# Altium PCB PCB1.PcbDoc (part 2 of 2)
Units mm, origin at the board's own origin, x right, y up, seen from the top; angles counter-clockwise.
Board outline 47 x 47 mm, 4 copper layers (Component Side, Ground Plane, Power Plane, Solder Side), stack 0.844 mm thick; 54 components, 41 nets, 211 pads, 662 vias.
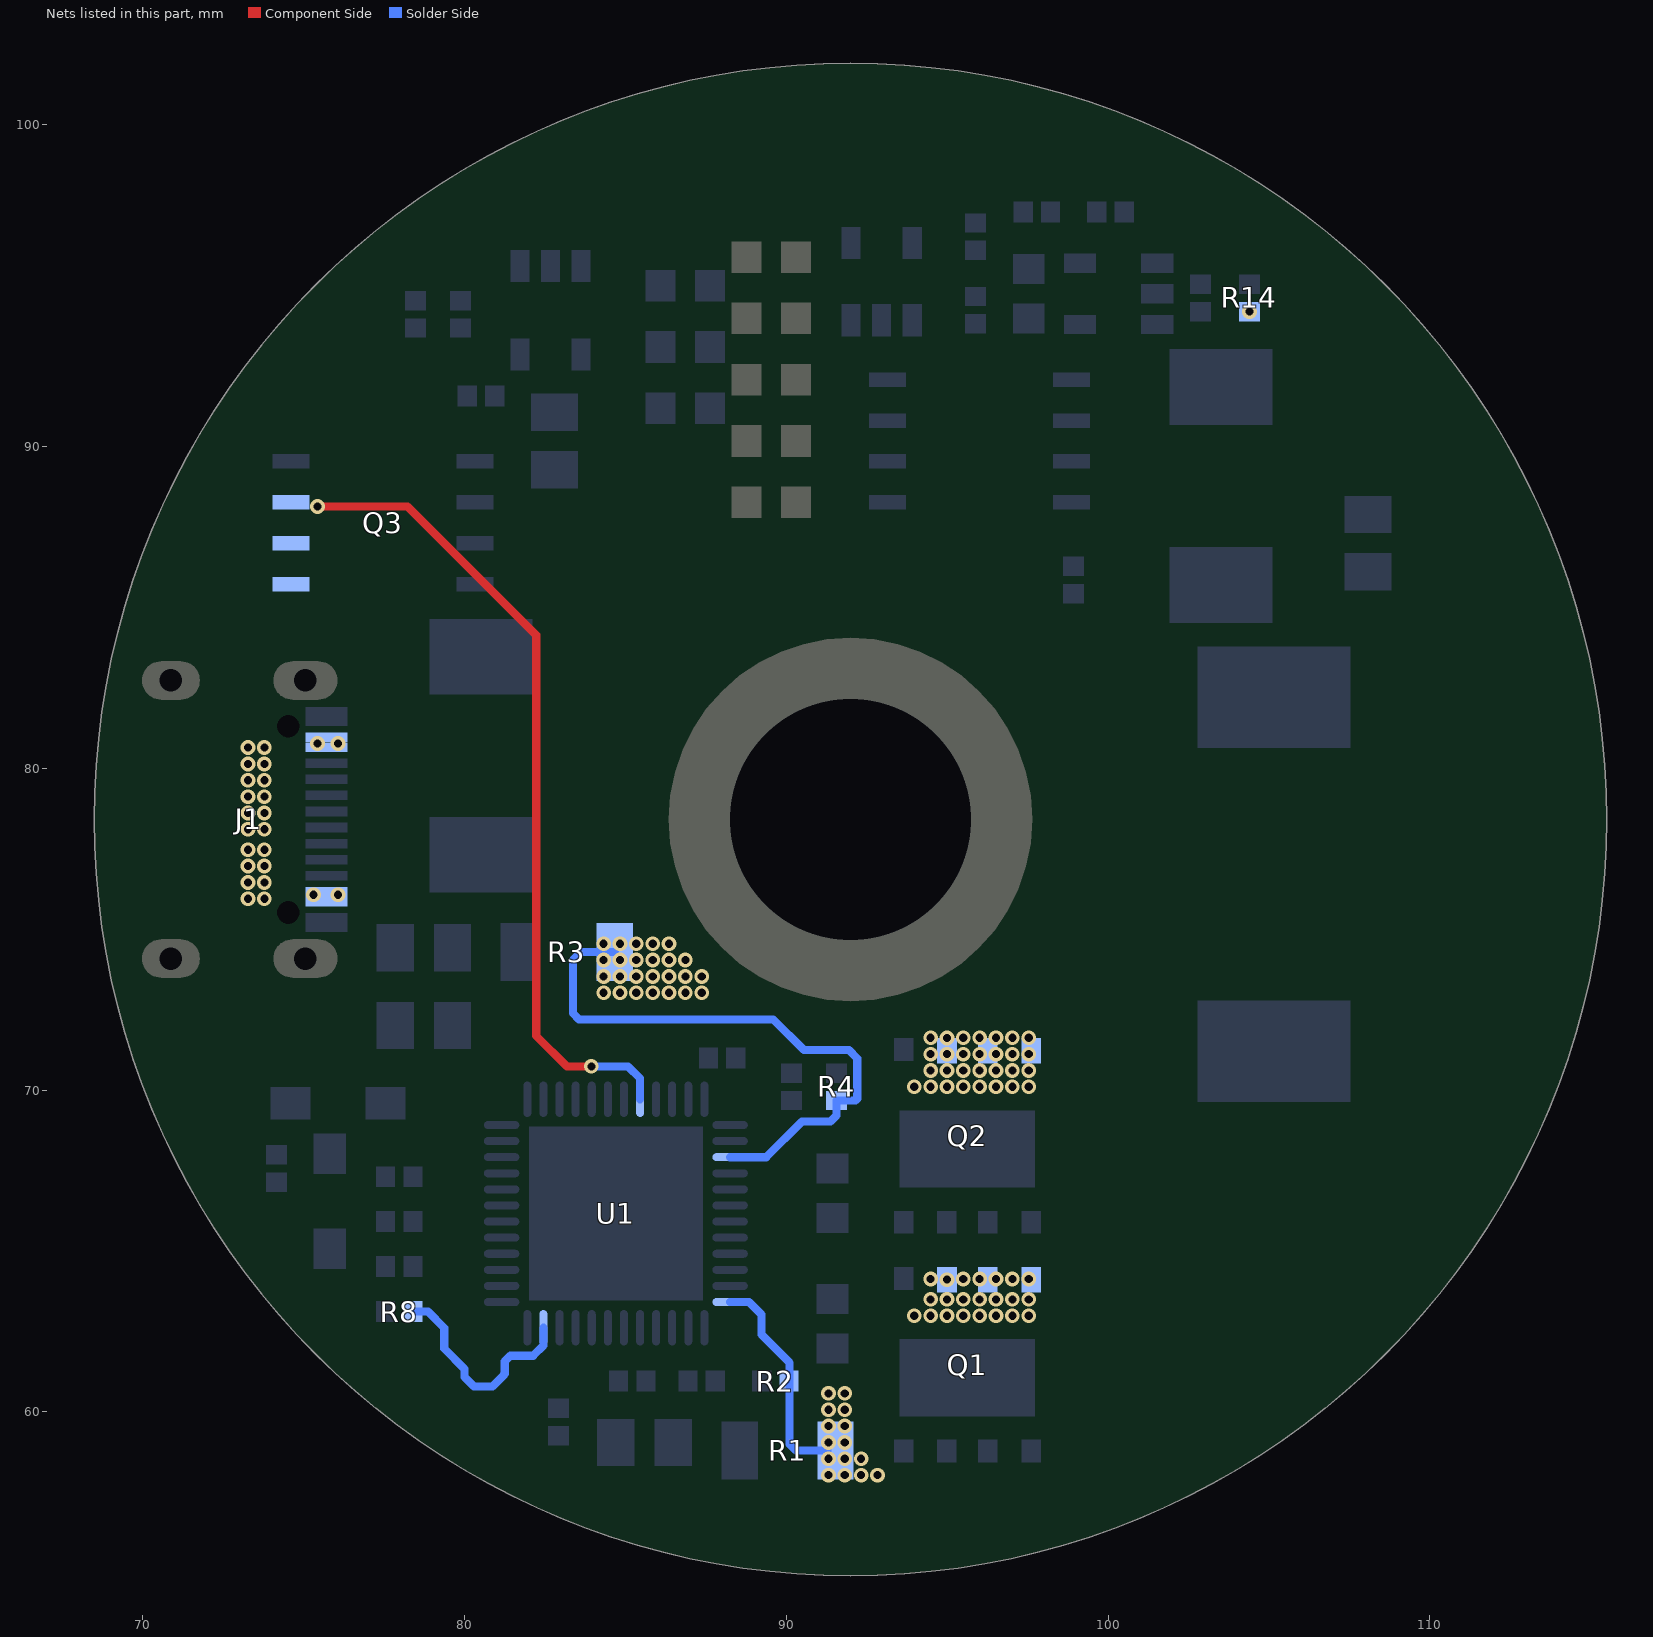
[diagram p4: the nets of this part, all layers, seen from the top]

## Via types
v1: diameter 0.457, hole 0.254, Component Side to Solder Side, tented both sides, 662 vias

## Nets (pads, with @x,y where several pads share a name; then routed paths per layer and width w, separated by ;. In a path a pad name is that pad's centre, name@x,y a point inside that pad or via, vN(x,y) a via of type N, cw(c..) or ccw(c..) an arc to the next point about the centre after c; other vN are vias at no path point) (continued)
VIN: Q2.2 Q2.3 Q2.4 R3.2 R4.2 U1.15 | length 18.9
  Solder Side w0.254: R3.2@84.675,74.295 83.629,74.295 83.376,74.041 83.376,72.39 83.566,72.2 89.599,72.2 90.551,71.247 91.948,71.247 ; U1.15@88.259,67.917 89.38,67.917 90.487,69.025 91.376,69.025 91.567,69.215 R4.2@91.567,69.679 92.158,69.679 92.209,69.73 92.209,70.986 91.948,71.247 ; 92.075,71.12 91.948,71.247
  other v1: 93.98,70.104 94.488,70.104 94.996,70.104 95.504,70.104 96.012,70.104 96.52,70.104 97.028,70.104 97.536,70.104 94.488,70.612 94.996,70.612 95.504,70.612 96.012,70.612 96.52,70.612 97.028,70.612 97.536,70.612 94.488,71.12 94.996,71.12 95.504,71.12 96.012,71.12 96.52,71.12 97.028,71.12 97.536,71.12 94.488,71.628 94.996,71.62 95.504,71.628 96.012,71.628 96.52,71.628 97.028,71.628 97.536,71.628 84.328,73.025 84.836,73.025 85.344,73.025 85.852,73.025 86.36,73.025 86.868,73.025 87.376,73.025 84.328,73.533 84.836,73.533 85.344,73.533 85.852,73.533 86.36,73.533 86.868,73.533 87.376,73.533 84.328,74.041 84.836,74.041 85.344,74.041 85.852,74.041 86.36,74.041 86.868,74.041 84.328,74.549 84.836,74.549 85.344,74.549 85.852,74.549 86.36,74.549
VOUT: Q1.2 Q1.3 Q1.4 R1.1 R2.1 U1.24 | length 6.8
  Solder Side w0.254: U1.24@88.259,63.417 88.844,63.417 89.23,63.031 89.23,62.408 90.106,61.531 90.106,58.998 90.303,58.801 R1.1@91.279,58.801
  other v1: 91.313,58.039 91.821,58.039 92.329,58.039 92.837,58.039 91.313,58.547 91.821,58.547 92.329,58.547 91.313,59.055 91.821,59.055 91.313,59.563 91.821,59.563 91.313,60.071 91.821,60.071 91.313,60.579 91.821,60.579 93.98,62.992 94.488,62.992 94.996,62.992 95.504,62.992 96.012,62.992 96.52,62.992 97.028,62.992 97.536,62.992 94.488,63.5 94.996,63.5 95.504,63.5 96.012,63.5 96.52,63.5 97.028,63.5 97.536,63.5 94.996,64.113 94.488,64.135 95.504,64.135 96.012,64.135 96.52,64.135 97.028,64.135 97.536,64.135
VSET: R8.2 U1.35 | length 6.8
  Solder Side w0.254: R8.2@78.403,63.119 78.867,63.119 79.375,62.611 79.375,61.976 80.01,61.341 80.01,61.087 80.302,60.795 80.871,60.795 81.242,61.166 81.242,61.186 81.255,61.199 81.255,61.57 81.435,61.75 82.142,61.75 82.459,62.066 U1.35@82.459,62.617
VTCBUS: J1.A4 J1.A9 J1.B4 J1.B9 Q3.1 Q3.2 Q3.3 R14.1 U1.8 | length 25.3
  Component Side w0.254: v1(75.438,88.138) 78.232,88.138 82.233,84.138 82.233,71.691 83.185,70.739 v1(83.947,70.739)
  Solder Side w0.254: v1(83.947,70.739) 85.09,70.739 85.459,70.37 U1.8@85.459,69.717
  other v1: 73.279,75.946 73.787,75.946 75.311,76.073 76.073,76.073 73.279,76.454 73.787,76.454 73.279,76.962 73.787,76.962 73.279,77.47 73.787,77.47 73.279,78.105 73.787,78.105 73.279,78.613 73.787,78.613 73.279,79.121 73.787,79.121 73.279,79.629 73.787,79.629 73.279,80.137 73.787,80.137 73.279,80.645 73.787,80.645 75.438,80.772 76.073,80.772 104.394,94.19
pads on no net: J1.0 J1.A8 J1.B8 U1.1 U1.2 U1.3 U1.5 U1.6 U1.7 U1.28 U1.31 U1.44 U1.45 U1.46 U1.47 U1.48 U2.2 U4.1

## Polygon pours and split planes (outlines as drawn)
GND on Solder Side "Component Side-No Net 1" (solid, remove dead copper, pour order 140): 85.217,61.595 79.756,61.595 79.692,61.658 79.502,61.468 79.502,56.007 85.605,56.007 85.913,55.699
VBAT on Solder Side "Component Side-No Net 1" (solid, remove dead copper, pour order 93): 19 vertices, not listed, extent 84.328,70.104 99.949,92.837
GND on Solder Side "Component Side-No Net 1" (solid, remove dead copper, pour order 139): 79.121,95.377 79.121,93.853 77.314,93.853 77.156,93.695 76.617,94.234 76.073,94.234 76.073,97.79 76.2,97.917 76.581,98.298 79.248,98.298
GND on Solder Side "Component Side-No Net 1" (solid, remove dead copper, pour order 135): 83.959,61.837 84.39,61.406 87.097,61.406 87.097,57.937 87.249,57.785 83.058,57.785
GND on Solder Side "Component Side-No Net 1" (solid, remove dead copper, pour order 132): 78.994,63.621 79.623,62.992 83.566,62.992 83.566,59.875 83.253,59.562 82.898,59.207 79.018,59.207
GND on Solder Side "Component Side-No Net 1" (solid, remove dead copper, pour order 109): 81.236,94.919 81.236,91.523 80.645,90.932 80.772,90.805 80.772,89.662 84.709,89.662 84.963,89.408 84.618,89.753 84.618,92.997 84.618,94.447 84.843,94.672
GND on Solder Side "Component Side-No Net 1" (solid, remove dead copper, pour order 105): 100.776,93.238 100.776,90.867 101.6,90.043 102.108,89.535 106.68,89.535 106.68,93.345 107.061,93.726 106.843,93.944 100.776,93.944
GND on Solder Side "Component Side-No Net 1" (solid, remove dead copper, pour order 102): 106.172,92.964 106.045,92.837 106.045,83.693 116.459,83.693 117.094,84.328 117.856,85.09 117.856,93.98
GND on Solder Side "Component Side-No Net 1" (solid, remove dead copper, pour order 100): 67.945,88.011 68.834,87.122 118.999,87.122 118.999,101.346 115.824,104.521 114.173,106.172 67.437,106.172
3V3 on Solder Side "Component Side-No Net 1" (solid, remove dead copper, pour order 95): 96.856,94.857 100.064,94.857 100.076,94.869 99.822,95.123 99.822,96.139 98.044,96.139 98.044,96.52 96.901,96.52
GND on Solder Side "Component Side-No Net 1" (solid, remove dead copper, pour order 94): 96.774,94.869 104.394,94.869 105.156,94.107 105.41,93.853 105.41,90.551 97.155,90.551 96.647,90.043
GND on Solder Side "Component Side-No Net 1" (solid, remove dead copper, pour order 90): 80.712,73.085 84.776,73.085 85.217,72.644 85.725,72.136 85.725,69.342 80.264,69.342 80.01,69.088
VBATTI on Solder Side "Component Side-No Net 1" (solid, remove dead copper, pour order 83): 17 vertices, not listed, extent 87.122,56.261 91.821,58.547
GND on Solder Side "Component Side-No Net 1" (solid, remove dead copper, pour order 79): 72.263,70.485 77.597,70.485 77.851,70.231 78.107,69.975 78.107,62.54 78.107,60.962 77.597,60.452 69.85,60.452 69.85,68.199 68.072,69.977
GND on Solder Side "Component Side-No Net 1" (solid, remove dead copper, pour order 120): 80.233,69.358 75.714,69.063 75.714,75.311 82.677,75.311 82.931,75.565 83.074,75.422 83.074,70.735 83.074,69.358 83.058,69.342
VBUSI on Solder Side "Component Side-No Net 1" (solid, remove dead copper, pour order 118): 20 vertices, not listed, extent 74.93,71.247 86.233,90.875
VIN on Solder Side "Component Side-No Net 1" (solid, remove dead copper, pour order 115): 84.074,74.666 84.074,75.184 85.979,75.184 86.116,75.321 86.233,75.204 86.233,74.168 86.233,72.644 84.582,72.644
BST1 on Solder Side "Component Side-No Net 1" (solid, remove dead copper, pour order 112): 90.932,68.58 90.932,67.056 92.075,67.056 92.075,68.58
VIN on Solder Side "Component Side-No Net 1" (solid, remove dead copper, pour order 111): 84.074,74.803 84.074,72.771 84.201,72.644 84.455,72.644 85.852,72.644 87.757,72.644 87.757,73.025 87.757,73.533 87.503,73.787 86.614,73.787
GND on Solder Side "Component Side-No Net 1" (solid, remove dead copper, pour order 99): 106.299,91.567 118.491,91.567 119.507,90.551 119.761,90.297 119.761,52.451 96.52,52.451 95.631,53.34 96.012,53.721 96.012,59.817 96.012,90.043 97.282,91.313
VBATTI on Solder Side "Component Side-No Net 1" (solid, remove dead copper, pour order 97): 107.89,78.232 107.89,78.165 107.95,78.105 111.379,78.105 111.467,78.105 111.633,78.271 111.633,81.28 108.077,81.28 107.95,81.153
GND on Solder Side "Component Side-No Net 1" (solid, remove dead copper, pour order 96): 93.533,67.208 93.533,63.439 93.98,62.992 94.742,62.23 102.743,62.23 102.743,67.945 103.505,68.707 102.997,68.199 93.218,68.199
VBATTI on Solder Side "Component Side-No Net 1" (solid, remove dead copper, pour order 91): 28 vertices, not listed, extent 97.917,78.105 111.633,92.837
SW1 on Solder Side "Component Side-No Net 1" (solid, remove dead copper, pour order 88): 20 vertices, not listed, extent 93.345,66.548 107.696,83.947
SW2 on Solder Side "Component Side-No Net 1" (solid, remove dead copper, pour order 86): 17 vertices, not listed, extent 93.345,59.61 107.569,72.771
GND on Solder Side "Component Side-No Net 1" (solid, remove dead copper, pour order 136): 70.104,71.628 80.237,71.628 80.464,71.401 80.899,70.966 80.899,60.833 83.043,60.833 83.507,60.369 84.201,59.675 84.201,57.023 67.691,57.023 67.564,56.896
BST2 on Solder Side "Component Side-No Net 1" (solid, remove dead copper, pour order 134): 75.184,68.707 75.184,67.056 75.311,66.929 76.327,66.929 76.327,68.707
BST1 on Solder Side "Component Side-No Net 1" (solid, remove dead copper, pour order 133): 75.819,69.977 75.946,70.104 78.232,70.104 78.232,69.088 76.962,69.088 76.835,69.088 76.708,68.961 75.819,68.961
GND on Solder Side "Component Side-No Net 1" (solid, remove dead copper, pour order 131): 79.756,72.898 80.772,73.914 84.12,73.914 84.12,73.696 88.576,69.241 88.259,68.923 88.259,68.917 83.659,68.917 81.159,66.417 81.022,66.554 79.629,66.554 79.629,70.231 77.978,71.882
VOUT on Solder Side "Component Side-No Net 1" (solid, remove dead copper, pour order 130): 93.531,63.408 94.111,63.408 94.111,64.766 94.107,64.77 97.917,64.77 97.917,62.459 97.868,62.411 97.434,61.976 93.345,61.976 93.345,63.373
GND on Solder Side "Component Side-No Net 1" (solid, remove dead copper, pour order 125): 18 vertices, not listed, extent 67.564,56.261 84.074,65.659
GND on Solder Side "Component Side-No Net 1" (solid, remove dead copper, pour order 122): 21 vertices, not listed, extent 60.579,70.739 82.169,89.281
VTCBUS on Solder Side "Component Side-No Net 1" (solid, remove dead copper, pour order 119): 35 vertices, not listed, extent 71.755,75.692 76.454,88.646
VIN on Solder Side "Component Side-No Net 1" (solid, remove dead copper, pour order 117): 84.074,74.803 86.487,74.803 87.757,73.533 87.757,72.771 85.471,72.771 85.217,73.025 84.201,73.025 84.074,73.025
VIN on Solder Side "Component Side-No Net 1" (solid, remove dead copper, pour order 114): 93.531,69.66 93.531,70.52 94.111,70.52 94.111,72.136 98.044,72.136 98.044,68.961 93.726,68.961 93.599,68.834
GND on Solder Side "Component Side-No Net 1" (solid, remove dead copper, pour order 106): 83.693,59.817 86.36,59.817 88.138,59.817 88.138,55.88 88.265,55.753 88.171,55.659 88.171,55.224 83.079,55.224 83.693,56.134
VBATTI on Solder Side "Component Side-No Net 1" (solid, remove dead copper, pour order 103): 87.63,59.817 85.598,59.817 85.598,58.293 87.376,58.293 87.63,58.039 88.519,58.039 88.519,59.055 88.519,59.817
VBATTI on Solder Side "Component Side-No Net 1" (solid, remove dead copper, pour order 89): 88.9,58.166 90.424,58.166 90.551,58.166 90.678,58.039 90.805,56.896 88.265,57.277
GND on Solder Side "Component Side-No Net 1" (solid, remove dead copper, pour order 81): 93.599,59.817 93.345,59.563 93.345,57.023 89.027,57.023 88.011,58.039 87.63,57.658 87.63,56.515 87.63,54.864 88.138,54.356 89.408,53.086 96.266,53.086 96.266,54.991 98.552,57.277 98.298,57.531 98.298,60.96
VBATTI on Solder Side "Component Side-No Net 1" (solid, remove dead copper, pour order 80): 88.9,59.817 88.9,57.912 89.027,57.785 91.44,57.785 93.345,57.785 93.345,56.642 90.043,56.642 89.662,57.023 89.027,57.023 88.138,57.023 87.884,57.023 87.63,57.277 87.63,59.817
VOUT on Solder Side "Component Side-No Net 1" (solid, remove dead copper, pour order 78): 90.678,60.833 90.678,58.039 90.678,57.912 90.805,57.785 93.345,57.785 93.345,58.293 93.091,58.293 92.583,58.801 92.202,59.182 92.202,60.452 92.202,60.706 92.075,60.833
VBATTI on Solder Side "Component Side-No Net 1" (solid, remove dead copper, pour order 147): 89.229,58.43 89.154,58.505 89.154,59.436 89.154,59.817 88.519,59.817 87.63,59.817 87.757,59.69 87.757,57.531 89.154,57.531 89.281,57.404
VBATTI on Solder Side "Component Side-No Net 1" (solid, remove dead copper, pour order 149): 87.796,59.817 89.281,59.817 89.281,58.378 89.366,58.293 89.535,58.124 89.535,57.404 89.535,57.15 89.408,57.023 89.154,56.769 87.863,56.769 87.493,57.14
GND on Solder Side "Component Side-No Net 1" (solid, remove dead copper, pour order 151): 100.203,66.294 100.33,66.421 103.886,66.421 103.886,62.865 103.505,62.484 103.432,62.411 97.868,62.411 97.868,66.052 98.17,66.354
SW1 on Solder Side "Component Side-No Net 1" (solid, remove dead copper, pour order 153): 17 vertices, not listed, extent 93.435,66.548 104.267,83.947
GND on Solder Side "Component Side-No Net 1" (solid, remove dead copper, pour order 155): 87.497,71.38 87.497,69.717 87.497,68.955 88.792,68.917 89.96,68.917 90.043,68.834 91.567,70.358 91.567,71.628 91.567,73.025 91.44,73.152 91.313,73.279 86.106,73.279
GND on Component Side "Component Side-No Net 1" (solid, remove dead copper, pour order 129): 53.975,92.583 141.097,92.583 146.558,87.122 144.526,85.09 144.526,26.162 57.785,26.162 57.404,26.543
VBATTI on Component Side "Component Side-No Net 1" (solid, remove dead copper, pour order 127): 86.487,65.126 86.487,62.716 87.63,61.573 87.735,61.468 88.646,61.468 88.646,58.674 88.265,58.293 88.773,57.785 89.916,57.785 89.916,65.024 90.17,65.278
VBATTI on Component Side "Component Side-No Net 1" (solid, remove dead copper, pour order 124): 87.63,57.912 87.63,63.246 86.487,64.389 86.487,67.056 86.487,68.199 87.249,68.961 88.519,68.961 88.519,69.723 89.916,69.723 94.615,69.723 94.615,65.532 94.488,65.405 94.535,65.358 94.535,57.912
VIN on Component Side "Component Side-No Net 1" (solid, remove dead copper, pour order 121): 92.135,69.663 89.087,69.663 88.646,70.104 88.265,70.485 88.265,71.12 93.853,71.12 94.107,71.374 94.996,70.485 94.996,70.104 94.996,69.723
VIN on Component Side "Component Side-No Net 1" (solid, remove dead copper, pour order 116): 20 vertices, not listed, extent 84.074,70.231 98.044,75.438
GND on Component Side "Component Side-No Net 1" (solid, remove dead copper, pour order 113): 75.057,83.947 75.057,73.914 74.676,73.533 74.295,73.914 70.485,73.914 70.485,83.82 70.358,83.947
3V3 on Component Side "Component Side-No Net 1" (solid, remove dead copper, pour order 98): 96.647,97.536 96.647,94.361 96.393,94.107 100.076,94.107 100.076,97.155 99.949,97.282
GND on Component Side "Component Side-No Net 1" (solid, remove dead copper, pour order 85): 68.072,92.329 68.961,91.44 76.073,91.44 76.073,84.448 75.216,83.591 75.191,83.566 73.279,83.566 66.802,83.566
GND on Component Side "Component Side-No Net 1" (solid, remove dead copper, pour order 76): 74.93,83.947 75.003,83.874 75.003,77.216 75.819,77.216 76.835,76.2 77.109,75.926 77.109,70.185 73.579,70.185 71.12,72.644 69.723,71.247 64.389,71.247 64.389,82.804 62.738,84.455
GND on Component Side "Component Side-No Net 1" (solid, remove dead copper, pour order 108): 75.057,84.074 75.064,84.067 75.064,79.813 75.064,74.556 75.057,74.549 74.803,74.803 68.707,74.803 68.707,83.693 68.453,83.947
GND on Component Side "Component Side-No Net 1" (solid, remove dead copper, pour order 107): 73.747,83.82 73.975,83.591 75.216,83.591 75.216,80.55 75.184,80.518 74.168,79.502 70.993,79.502 70.993,84.074 70.739,84.328 70.866,84.455
GND on Component Side "Component Side-No Net 1" (solid, remove dead copper, pour order 104): 18 vertices, not listed, extent 65.024,71.882 76.581,85.725
VBATTI on Component Side "Component Side-No Net 1" (solid, remove dead copper, pour order 101): 99.187,89.916 99.568,89.535 102.87,89.535 102.87,87.884 102.616,87.63 102.362,87.376 98.552,87.376
VBATTI on Component Side "Component Side-No Net 1" (solid, remove dead copper, pour order 77): 87.249,56.261 87.63,55.88 109.22,55.88 109.22,64.389 112.522,67.691 112.395,67.818 112.395,82.169 106.172,82.169 105.791,82.55 102.616,79.375 102.616,72.136 88.009,72.136 87.293,71.42
GND on Component Side "Component Side-No Net 1" (solid, remove dead copper, pour order 74): 17 vertices, not listed, extent 98.298,69.663 107.569,83.82
BST2 on Component Side "Component Side-No Net 1" (solid, remove dead copper, pour order 138): 74.803,68.199 74.93,68.072 76.835,68.072 76.835,66.675 76.962,66.548 76.708,66.294 74.422,66.294
BST1 on Component Side "Component Side-No Net 1" (solid, remove dead copper, pour order 137): 75.057,70.231 77.851,70.231 77.724,70.104 77.724,68.199 75.184,68.199 74.803,68.58
VTCBUS on Component Side "Component Side-No Net 1" (solid, remove dead copper, pour order 128): 72.898,81.026 76.559,81.026 76.633,81.1 76.835,80.899 76.835,80.137 76.581,80.137 74.93,80.137 74.549,79.756 74.422,79.629 73.279,79.629
VIN on Component Side "Component Side-No Net 1" (solid, remove dead copper, pour order 126): 94.107,71.628 94.107,72.136 98.552,72.136 98.552,71.12 98.425,70.993 97.917,70.485 94.107,70.485
VTCBUS on Component Side "Component Side-No Net 1" (solid, remove dead copper, pour order 123): 17 vertices, not listed, extent 72.898,75.692 76.454,81.026
VIN on Component Side "Component Side-No Net 1" (solid, remove dead copper, pour order 110): 18 vertices, not listed, extent 83.947,69.469 98.044,74.803
GND on Component Side "Component Side-No Net 1" (solid, remove dead copper, pour order 92): 94.742,58.039 93.091,58.039 92.71,57.658 92.603,57.765 87.63,57.765 87.63,53.34 87.503,53.213 88.646,52.07 100.203,52.07 100.203,56.515 103.759,60.071 102.362,61.468 101.981,61.468
VBATTI on Component Side "Component Side-No Net 1" (solid, remove dead copper, pour order 87): 88.011,64.516 89.408,64.516 89.98,65.087 90.297,65.405 92.837,65.405 92.837,60.833 92.964,60.706 92.837,60.579 90.17,60.579 89.662,60.579 88.138,57.658
VOUT on Component Side "Component Side-No Net 1" (solid, remove dead copper, pour order 75): 92.583,60.774 90.746,60.774 90.678,60.706 90.678,59.436 90.678,59.309 91.567,58.42 91.694,58.547 93.472,58.547 93.472,60.579 93.599,60.706 93.472,60.833
VOUT on Component Side "Component Side-No Net 1" (solid, remove dead copper, pour order 84): 92.92,63.754 92.92,64.599 93.091,64.77 93.218,64.897 98.171,64.897 98.171,62.953 98.063,62.846 97.194,61.976 97.155,61.976 94.107,61.976 93.726,62.357
GND on Component Side "Component Side-No Net 1" (solid, remove dead copper, pour order 82): 96.86,64.85 94.281,64.85 94.234,64.897 94.234,66.294 94.408,66.468 94.615,66.675 97.282,66.675 97.282,66.421 97.663,66.04 97.79,65.913
VOUT on Component Side "Component Side-No Net 1" (solid, remove dead copper, pour order 73): 92.583,63.881 92.71,63.754 98.171,63.754 98.171,62.953 98.063,62.846 97.749,62.531 94.742,62.531 94.742,57.785 90.805,57.785 90.678,57.912 90.678,59.817 92.456,59.817 92.583,59.944
VOUT on Component Side "Component Side-No Net 1" (solid, remove dead copper, pour order 141): 97.677,62.752 95.391,62.752 95.377,62.738 95.377,60.452 95.377,58.42 94.996,58.039 94.742,57.785 92.837,57.785 91.44,57.785 90.932,58.293 92.259,59.62 92.259,63.4 92.259,65.081 92.456,65.278 96.774,65.278
VOUT on Component Side "Component Side-No Net 1" (solid, remove dead copper, pour order 142): 97.661,62.742 97.661,59.942 97.409,59.69 97.339,59.62 95.377,59.62 93.542,59.62 93.218,59.944 93.599,60.325 93.599,63.373 93.599,64.339 93.435,64.502 93.703,64.77 96.393,64.77
GND on Component Side "Component Side-No Net 1" (solid, remove dead copper, pour order 143): 93.98,60.579 104.013,60.579 104.267,60.833 104.14,60.706 104.14,53.594 93.218,53.594 92.71,53.086 92.583,53.213 92.583,61.214
GND on Component Side "Component Side-No Net 1" (solid, remove dead copper, pour order 144): 66.548,85.852 75.692,85.852 78.486,83.058 80.137,81.407 120.269,81.407 120.269,103.251 123.825,106.807 120.65,109.982 65.278,109.982
VIN on Component Side "Component Side-No Net 1" (solid, remove dead copper, pour order 157): 87.549,70.993 87.549,70.185 87.757,69.977 88.265,69.977 88.392,69.977 88.392,69.596 88.773,69.596 89.789,69.596 89.789,71.501 89.916,71.628 88.265,73.279 87.122,73.279 85.979,73.279 86.144,73.114 86.144,70.894
GND on Component Side "Component Side-No Net 1" (solid, remove dead copper, pour order 159): 70.485,83.82 78.359,83.82 78.74,83.439 79.502,82.677 79.502,77.851 69.088,77.851
VOUT on Ground Plane (split plane): 29 vertices, not listed, extent 90.807,57.878 97.915,64.768
no net on Ground Plane (split plane): 89.535,73.462 89.464,73.533 89.535,73.533
VBATTI on Ground Plane (split plane): 59 vertices, not listed, extent 87.378,56.136 111.25,81.278
VIN on Ground Plane (split plane): 26 vertices, not listed, extent 83.949,69.725 97.917,75.055
VBUSI on Ground Plane (split plane): 25 vertices, not listed, extent 81.282,70.487 87.755,74.547
GND on Ground Plane (split plane): 337 vertices, not listed, extent 69.007,55.418 114.991,101.402
VBATTI on Power Plane (split plane): 49 vertices, not listed, extent 85.981,61.343 101.725,89.406
VIN on Power Plane (split plane): 24 vertices, not listed, extent 83.822,69.725 97.915,75.055
GND on Power Plane (split plane): 18 vertices, not listed, extent 82.298,63.175 87.574,68.578
VOUT on Power Plane (split plane): 36 vertices, not listed, extent 90.934,57.802 97.917,64.514
VBATTI on Power Plane (split plane): 18 vertices, not listed, extent 87.505,56.517 93.47,60.196
3V3 on Power Plane (split plane): 40 vertices, not listed, extent 80.774,90.172 98.423,96.772
VTCBUS on Power Plane (split plane): 50 vertices, not listed, extent 72.519,75.44 104.9,94.613
BST1 on Power Plane (split plane): 19 vertices, not listed, extent 75.567,67.058 92.073,71.118
GND on Power Plane (split plane): 379 vertices, not listed, extent 69.007,55.418 114.991,101.402
BST2 on Power Plane (split plane): 75 vertices, not listed, extent 75.186,60.327 92.2,68.578

## Keep-outs
Keep-Out Layer:
  circle w0.254: c91.999,78.41 r23.5

## Other copper
Ground Plane (plane layer: these items are gaps in the copper):
  rectangle: 85.979,75.184 86.868,84.201
  rectangle: 86.995,75.057 87.376,75.311
  rectangle: 90.297,73.152 97.79,75.184
  rectangle: 86.868,75.184 97.79,84.201
  rectangle: 89.154,73.533 90.424,75.184
  rectangle: 89.535,73.279 90.678,73.533
  rectangle: 89.718,73.025 90.551,73.279
  rectangle: 88.392,74.549 89.154,75.184
  rectangle: 87.813,74.93 88.519,75.184
  rectangle: 88.067,74.676 88.9,74.93
  rectangle: 88.138,74.422 88.9,74.93
  rectangle: 88.519,74.168 89.408,74.676
  rectangle: 88.773,73.914 89.535,74.168
  rectangle: 88.9,73.787 89.281,74.422
  rectangle: 90.678,61.214 92.583,62.865
  lines w0.254: 83.82,72.517 83.82,74.803 84.201,75.184 87.63,75.184 89.789,73.025 97.79,73.025 98.046,72.769 98.046,69.852 97.79,69.596 92.837,69.596 91.821,70.612 87.884,70.612 ; 87.249,70.231 87.249,57.404 87.757,56.896 88.773,56.896 89.662,56.007 ; 89.662,55.057 89.662,56.007 ; 89.662,55.753 89.662,56.007 ; 90.678,61.214 92.583,61.214 92.583,64.516 92.964,64.897 93.599,64.897 94.107,64.897 94.361,64.643 98.044,64.643 98.044,62.357 97.282,62.357 94.996,60.071 94.996,59.182 93.98,58.166 93.51,57.696 93.423,57.783 ; 97.536,81.407 111.379,81.407 111.379,78.105 111.125,77.851 102.362,77.851 101.6,77.089 101.6,68.326 100.076,66.802 92.837,66.802 90.678,64.643 90.678,58.091 90.987,57.783 93.423,57.783 ; 87.884,70.612 87.884,71.247 86.614,72.517 83.185,72.517 82.169,73.533 82.169,74.422 81.915,74.676 81.407,74.676 81.153,74.422 81.153,73.279 82.677,71.755 86.05,71.755 86.487,71.318 86.487,70.556 86.685,70.358 87.63,70.358 87.884,70.612 ; 89.662,56.007 93.274,56.007 93.724,56.456 93.724,57.482 93.423,57.783
Power Plane (plane layer: these items are gaps in the copper):
  rectangle: 85.09,75.184 86.487,84.582
  rectangle: 86.487,75.113 86.741,75.313
  rectangle: 90.424,73.025 97.917,75.184
  rectangle: 86.487,75.184 97.917,84.582
  rectangle: 88.773,74.041 90.424,75.184
  rectangle: 87.813,74.93 89.408,75.184
  rectangle: 88.265,74.422 88.773,74.93
  rectangle: 87.884,74.732 88.265,75.565
  rectangle: 88.519,74.224 88.773,74.93
  rectangle: 89.535,73.279 90.424,74.041
  rectangle: 89.789,73.025 90.043,73.787
  rectangle: 89.662,73.152 89.789,73.787
  rectangle: 89.027,73.66 89.535,74.041
  rectangle: 88.773,73.914 89.154,74.422
  rectangle: 89.281,73.406 89.789,74.041
  rectangle: 89.789,73.025 90.932,73.406
  rectangle: 107.95,78.105 111.125,81.153
  lines w0.254: 82.169,68.707 82.169,64.77 82.677,64.262 84.582,64.262 85.852,62.992 ; 85.344,79.629 76.835,79.629 76.835,75.819 76.327,75.311 72.771,75.311 72.39,75.692 72.39,81.026 72.771,81.407 76.454,81.407 76.708,81.153 76.708,80.518 78.105,80.518 84.328,80.518 84.328,85.09 84.582,85.344 96.52,85.344 97.282,86.106 97.282,94.488 97.536,94.742 104.648,94.742 104.775,94.615 105.029,94.361 105.029,93.853 104.775,93.599 98.552,93.599 98.044,93.091 98.044,84.836 97.663,84.455 ; 87.122,61.976 87.249,61.849 89.916,61.849 90.932,62.865 92.075,62.865 92.329,62.611 92.329,61.722 92.329,61.341 93.218,61.341 93.218,63.627 93.472,63.881 94.234,64.643 97.902,64.643 98.046,64.499 98.046,62.359 97.663,61.976 96.901,61.976 94.488,59.563 94.488,57.912 94.249,57.673 90.805,57.673 90.805,61.087 90.932,61.214 91.059,61.341 92.075,61.341 ; 90.805,59.69 90.805,60.325 ; 91.595,55.019 91.595,56.388 ; 92.202,66.929 92.202,68.326 91.821,68.707 87.884,68.707 85.344,71.247 76.835,71.247 75.438,69.85 75.438,68.326 ; 93.599,57.673 93.599,56.586 93.401,56.388 89.789,56.388 89.281,56.896 87.757,56.896 87.376,57.277 87.376,60.325 90.805,60.325 ; 97.282,91.186 84.074,91.186 83.439,91.821 81.915,91.821 81.788,91.694 81.788,90.551 81.788,90.297 81.534,90.043 81.026,90.043 80.645,90.424 80.645,92.71 80.772,92.837 84.074,92.837 84.709,92.202 96.012,92.202 96.266,92.456 96.266,96.52 96.647,96.901 98.298,96.901 98.552,96.647 98.552,94.742 ; 75.438,68.326 75.311,68.326 75.057,68.072 75.057,66.802 75.311,66.548 78.867,66.548 79.121,66.802 80.772,66.802 80.772,63.881 81.788,62.865 83.947,62.865 84.455,62.357 84.455,61.341 85.598,60.198 87.122,60.198 87.249,60.325 90.805,60.325 ; 75.438,68.326 77.343,68.326 77.724,68.707 85.979,68.707 87.757,66.929 ; 85.852,62.992 85.852,61.468 86.106,61.214 86.741,61.214 87.122,61.595 87.122,62.484 88.011,63.373 88.011,65.405 88.265,65.659 92.837,65.659 94.107,66.929 100.838,66.929 101.854,67.945 101.854,88.773 101.092,89.535 100.203,89.535 99.695,89.027 99.695,87.884 100.711,86.868 100.711,68.58 99.949,67.818 93.726,67.818 92.837,66.929 87.757,66.929 ; 85.852,62.992 86.106,63.246 86.614,63.246 87.249,63.881 87.249,66.421 87.757,66.929 ; 83.693,72.786 83.693,74.803 84.074,75.184 87.63,75.184 89.789,73.025 97.79,73.025 98.044,72.771 98.044,69.85 97.79,69.596 92.456,69.596 91.821,70.231 88.265,70.231 86.106,72.39 84.089,72.39 83.693,72.786

## Silkscreen, mask and mechanical layers (free items; w line width, h text height)
Top Overlay:
  lines w0.254: 88.519,98.298 87.63,98.298 87.63,97.409 87.63,86.868 96.647,86.868 96.647,97.282 96.647,98.171 96.647,98.425 95.631,98.425
  text "Status" at 89.027,97.536 h2.54
  text "25%" at 92.202,95.25 h2.54
  text "50%" at 92.202,93.345 h2.54
  text "75%" at 92.202,91.44 h2.54
  text "100%" at 92.202,89.535 h2.54
  text "Fast" at 92.202,87.63 h2.54
  text "PD3.0 60W" at 72.39,83.185 h2.54 r270
  text "Max" at 70.739,80.391 h2.54 r270
  text "Project" at 103.886,73.533 h4 r90
  text "Extreme" at 109.474,73.406 h4 r90
  text "Difftorch" at 106.934,71.501 h4 r90
  text "3S Li-iON" at 86.868,67.818 h2.54
  text "Typec-Charging" at 84.201,65.659 h2.54
  text "Module V2" at 86.614,63.246 h2.54
  text "By:" at 84.963,60.96 h2.54
  text "Restoner_35" at 89.535,60.96 h2.54
Bottom Overlay:
  rectangle: 80.772,70.104 81.574,70.935
  text "D8B-3S-PD" at 97.663,98.171 h2.03
  text "V1.1" at 108.331,92.837 h2.03 r90
  text "3S1-2P" at 90.043,91.948 h2.03 r270
  text "RT" at 77.851,90.551 h2.03 r270
  text "3.7V Li-ION" at 88.773,90.297 h2.03 r270
  text "Designed by:" at 91.821,88.9 h2.03
  text "+" at 100.584,87.757 h2.03 r180
  text "Redstoner_35" at 92.329,87.376 h2.03
  text "60W PD3.0" at 97.409,84.963 h2.54
  text "V+" at 86.995,84.201 h2.54 r90
  text "+" at 82.55,78.994 h2.03 r180
  text "JLCJLCJLC" at 99.695,71.755 h2.03 r270
  text "PDIN" at 76.454,71.501 h2.54
  text "N" at 80.391,66.802 h2.03
  text "烫" at 100.584,65.659 h3.05 r90
  text "P" at 80.391,65.278 h2.03
  text "C" at 80.391,63.881 h2.03
  text "V" at 80.391,62.357 h2.03
Top Solder:
  lines w1.7: 69.161,75.686 cw(c91.999,78.41) 69.164,81.159 ; 69.886,84.735 cw(c91.999,78.41) 69.903,72.024
Bottom Solder:
  rectangle: 98.425,59.944 100.203,62.484
  rectangle: 98.552,66.929 102.108,69.469
  rectangle: 103.759,67.437 106.299,68.834
  lines w1.5: 69.886,84.735 cw(c91.999,78.41) 69.903,72.024
  lines w2.54: 99.695,61.214 102.362,61.214 105.029,63.881 105.029,67.437